# KiCad board rgbwstrip120_250_panel.kicad_pcb (continued)
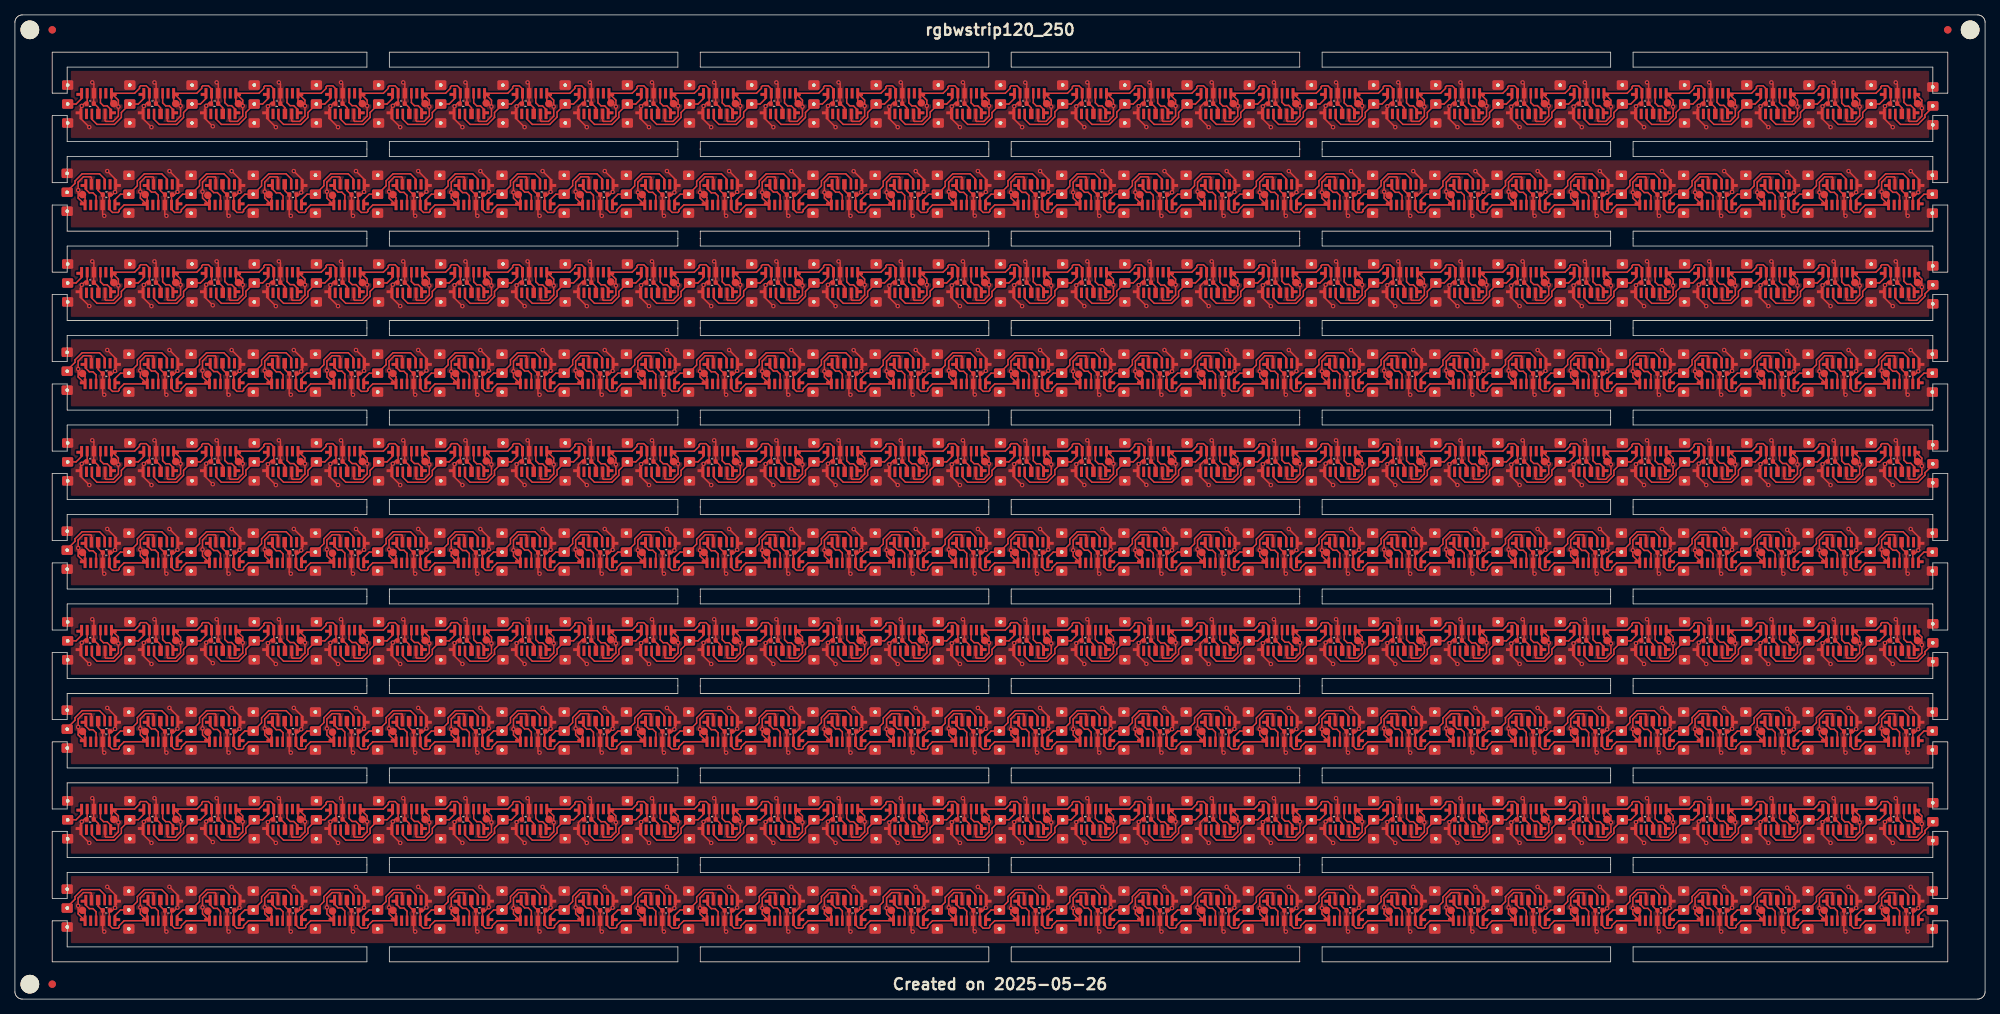
[diagram p0: board, top side]
## Routing (per net, layer and track width the routed paths; a pad name or vN(x,y) marks a point on that pad's centre or on a via; arc(x,y) is an arc through that point) (continued)
Board_6-GND: length 133.9
  Top w0.2: v1(35.36,50.95) 35.58,50.73 U8.4 35.56,49.47 35.56,48.17 36.18,47.55 36.18,46.84 ; v1(110.36,50.95) 110.58,50.73 U26#3.4 110.56,49.47 110.56,48.17 111.18,47.55 111.18,46.84 ; 169.52,46.84 169.52,47.55 168.9,48.17 168.9,49.47 U40.4 168.92,50.73 v1(168.7,50.95) ; 77.85,46.84 77.85,47.55 77.23,48.17 77.23,49.47 U18#4.4 77.25,50.73 v1(77.03,50.95) ; 211.18,46.84 211.18,47.55 210.56,48.17 210.56,49.47 U50#2.4 210.58,50.73 v1(210.36,50.95) ; 44.52,46.84 44.52,47.55 43.9,48.17 43.9,49.47 U10#8.4 43.92,50.73 v1(43.7,50.95) ; v1(177.03,50.95) 177.25,50.73 U42#2.4 177.23,49.47 177.23,48.17 177.85,47.55 177.85,46.84 ; 86.18,46.84 86.18,47.55 85.56,48.17 85.56,49.47 U20#2.4 85.58,50.73 v1(85.36,50.95) ; 244.52,46.84 244.52,47.55 243.9,48.17 243.9,49.47 U58#10.4 243.92,50.73 v1(243.7,50.95) 243.7,50.95 ; v1(185.36,50.95) 185.58,50.73 U44#5.4 185.56,49.47 185.56,48.17 186.18,47.55 186.18,46.84 ; v1(160.36,50.95) 160.58,50.73 U38#10.4 160.56,49.47 160.56,48.17 161.18,47.55 161.18,46.84 ; v1(218.7,50.95) 218.92,50.73 U52#10.4 218.9,49.47 218.9,48.17 219.52,47.55 219.52,46.84 ; 52.85,46.84 52.85,47.55 52.23,48.17 52.23,49.47 U12#4.4 52.25,50.73 v1(52.03,50.95) ; v1(27.03,50.95) 27.25,50.73 U6#7.4 27.23,49.47 27.23,48.17 27.85,47.55 27.85,46.84 ; 227.85,46.84 227.85,47.55 227.23,48.17 227.23,49.47 U54#10.4 227.25,50.73 v1(227.03,50.95) ; 19.52,46.84 19.52,47.55 18.9,48.17 18.9,49.47 U4#9.4 18.92,50.73 v1(18.7,50.95) ; 152.85,46.84 152.85,47.55 152.23,48.17 152.23,49.47 U36#2.4 152.25,50.73 v1(152.03,50.95) ; v1(60.36,50.95) 60.58,50.73 U14#2.4 60.56,49.47 60.56,48.17 61.18,47.55 61.18,46.84 ; 194.52,46.84 194.52,47.55 193.9,48.17 193.9,49.47 U46#7.4 193.92,50.73 v1(193.7,50.95) ; v1(93.7,50.95) 93.92,50.73 U22#6.4 93.9,49.47 93.9,48.17 94.52,47.55 94.52,46.84 ; 69.52,46.84 69.52,47.55 68.9,48.17 68.9,49.47 U16#9.4 68.92,50.73 v1(68.7,50.95) ; 11.18,46.84 11.18,47.55 10.56,48.17 10.56,49.47 U2#4.4 10.58,50.73 v1(10.36,50.95) ; v1(102.03,50.95) 102.25,50.73 U24#9.4 102.23,49.47 102.23,48.17 102.85,47.55 102.85,46.84 ; 202.85,46.84 202.85,47.55 202.23,48.17 202.23,49.47 U48#9.4 202.25,50.73 v1(202.03,50.95) ; 119.52,46.84 119.52,47.55 118.9,48.17 118.9,49.47 U28#7.4 118.92,50.73 v1(118.7,50.95) ; v1(252.03,50.95) 252.25,50.73 U60#4.4 252.23,49.47 252.23,48.17 252.85,47.55 252.85,46.84 ; 144.52,46.84 144.52,47.55 143.9,48.17 143.9,49.47 U34#4.4 143.92,50.73 v1(143.7,50.95) ; 236.18,46.84 236.18,47.55 235.56,48.17 235.56,49.47 U56#9.4 235.58,50.73 v1(235.36,50.95) ; 135.36,50.95 v1(135.38,50.93) 135.58,50.73 U32#6.4 135.56,49.47 135.56,48.17 136.18,47.55 136.18,46.84 ; v1(127.03,50.95) 127.25,50.73 U30#6.4 127.23,49.47 127.23,48.17 127.85,47.55 127.85,46.84
Board_6-Net-(J1-Pin_2): length 2.8
  Top w0.2: U2#4.6 8.93,48.79 8.19,48.05 7.16,48.05
Board_6-Net-(J2-Pin_2): length 10.4
  Top w0.2: 10.31,46.72 10.31,46 10.99,45.32 13.33,45.32 14.26,46.25 14.26,46.91 J2#4.2 ; 15.5,48.05 16.53,48.05 17.27,48.79 U4#9.6
Board_6-Net-(J3-Pin_2): length 10.4
  Top w0.2: U6#7.6 25.6,48.79 24.86,48.05 23.83,48.05 ; 18.65,46.72 18.65,46 19.33,45.32 21.66,45.32 22.6,46.25 22.6,46.91 J3#9.2
Board_6-Net-(J4-Pin_2): length 10.4
  Top w0.2: U8.6 33.93,48.79 33.19,48.05 32.16,48.05 ; J4#3.2 30.95,46.93 30.95,46.27 30,45.32 27.66,45.32 26.98,46 26.98,46.72
Board_6-Net-(J5-Pin_2): length 10.4
  Top w0.2: U10#8.6 42.27,48.79 41.53,48.05 40.5,48.05 ; J5#8.2 39.26,46.91 39.26,46.25 38.33,45.32 35.99,45.32 35.31,46 35.31,46.72
Board_6-Net-(J6-Pin_2): length 10.4
  Top w0.2: U12#4.6 50.6,48.79 49.86,48.05 48.83,48.05 ; J6#9.2 47.6,46.91 47.6,46.25 46.66,45.32 44.33,45.32 43.65,46 43.65,46.72
Board_6-Net-(J7-Pin_2): length 10.4
  Top w0.2: U14#2.6 58.93,48.79 58.19,48.05 57.16,48.05 ; J7#2.2 55.93,46.91 55.93,46.25 55,45.32 52.66,45.32 51.98,46 51.98,46.72
Board_6-Net-(J8-Pin_2): length 10.4
  Top w0.2: 60.31,46.72 60.31,46 60.99,45.32 63.33,45.32 64.26,46.25 64.26,46.26 64.27,46.26 64.26,46.42 64.26,46.91 J8#2.2 ; 65.5,48.05 66.53,48.05 67.27,48.79 U16#9.6
Board_6-Net-(J9-Pin_2): length 10.4
  Top w0.2: 73.83,48.05 74.86,48.05 75.6,48.79 U18#4.6 ; J9#8.2 72.65,46.97 72.65,46.3 71.66,45.32 69.33,45.32 68.65,46 68.65,46.72
Board_6-Net-(J10-Pin_2): length 10.4
  Top w0.2: U20#2.6 83.93,48.79 83.19,48.05 82.16,48.05 ; 76.98,46.72 76.98,46 77.66,45.32 80,45.32 80.93,46.25 80.93,46.91 J10#6.2
Board_6-Net-(J11-Pin_2): length 10.4
  Top w0.2: 90.5,48.05 91.53,48.05 92.27,48.79 U22#6.6 ; J11#3.2 89.26,46.91 89.26,46.25 88.33,45.32 85.99,45.32 85.31,46 85.31,46.72
Board_6-Net-(J12-Pin_2): length 10.4
  Top w0.2: U24#9.6 100.6,48.79 99.86,48.05 98.83,48.05 ; J12#2.2 97.65,46.97 97.65,46.3 96.66,45.32 94.33,45.32 93.65,46 93.65,46.72
Board_6-Net-(J13-Pin_2): length 10.4
  Top w0.2: J13#2.2 105.93,46.91 105.93,46.25 105,45.32 102.66,45.32 101.98,46 101.98,46.72 ; 107.16,48.05 108.19,48.05 108.93,48.79 U26#3.6
Board_6-Net-(J14-Pin_2): length 10.4
  Top w0.2: 115.5,48.05 116.53,48.05 117.27,48.79 U28#7.6 ; 110.31,46.72 110.31,46 110.99,45.32 113.33,45.32 113.33,45.32 114.26,46.25 114.26,46.91 J14.2
Board_6-Net-(J15-Pin_2): length 10.4
  Top w0.2: 118.65,46.72 118.65,46 119.33,45.32 121.66,45.32 122.65,46.3 122.65,46.97 J15#9.2 ; 123.83,48.05 124.86,48.05 125.6,48.79 U30#6.6
Board_6-Net-(J16-Pin_2): length 10.4
  Top w0.2: U32#6.6 133.93,48.79 133.19,48.05 132.16,48.05 ; 126.98,46.72 126.98,46 127.66,45.32 130,45.32 130.93,46.25 130.93,46.91 J16#2.2
Board_6-Net-(J17-Pin_2): length 10.4
  Top w0.2: 135.31,46.72 135.31,46 135.99,45.32 138.33,45.32 139.35,46.33 139.35,47 J17#8.2 ; 140.5,48.05 141.53,48.05 142.27,48.79 U34#4.6
Board_6-Net-(J18-Pin_2): length 10.4
  Top w0.2: 143.65,46.72 143.65,46 144.33,45.32 146.66,45.32 147.65,46.3 147.65,46.97 J18#9.2 ; U36#2.6 150.6,48.79 149.86,48.05 148.83,48.05
Board_6-Net-(J19-Pin_2): length 10.4
  Top w0.2: J19#5.2 155.93,46.91 155.93,46.25 155,45.32 152.66,45.32 151.98,46 151.98,46.72 ; 157.16,48.05 158.19,48.05 158.93,48.79 U38#10.6
Board_6-Net-(J20-Pin_2): length 10.4
  Top w0.2: 165.5,48.05 166.53,48.05 167.27,48.79 U40.6 ; 160.31,46.72 160.31,46 160.99,45.32 163.33,45.32 164.26,46.25 164.26,46.91 J20#2.2
Board_6-Net-(J21-Pin_2): length 10.4
  Top w0.2: 173.83,48.05 174.86,48.05 175.6,48.79 U42#2.6 ; J21#2.2 172.65,46.97 172.65,46.3 171.66,45.32 169.33,45.32 168.65,46 168.65,46.72
Board_6-Net-(J22-Pin_2): length 10.4
  Top w0.2: J22#7.2 180.95,46.93 180.95,46.27 180,45.32 177.66,45.32 176.98,46 176.98,46.72 ; U44#5.6 183.93,48.79 183.19,48.05 182.16,48.05
Board_6-Net-(J23-Pin_2): length 10.4
  Top w0.2: 190.5,48.05 191.53,48.05 192.27,48.79 U46#7.6 ; J23#2.2 189.26,46.91 189.26,46.25 188.33,45.32 185.99,45.32 185.31,46 185.31,46.72
Board_6-Net-(J24-Pin_2): length 10.4
  Top w0.2: J24#8.2 197.6,46.91 197.6,46.25 196.66,45.32 194.33,45.32 193.65,46 193.65,46.72 ; U48#9.6 200.6,48.79 199.86,48.05 198.83,48.05
Board_6-Net-(J25-Pin_2): length 10.4
  Top w0.2: J25#7.2 205.95,46.93 205.95,46.27 205,45.32 202.66,45.32 201.98,46 201.98,46.72 ; 207.16,48.05 208.19,48.05 208.93,48.79 U50#2.6
Board_6-Net-(J26-Pin_2): length 10.4
  Top w0.2: J26#2.2 214.26,46.91 214.26,46.25 213.33,45.32 210.99,45.32 210.31,46 210.31,46.72 ; 215.5,48.05 216.53,48.05 217.27,48.79 U52#10.6
Board_6-Net-(J27-Pin_2): length 10.4
  Top w0.2: U54#10.6 225.6,48.79 224.86,48.05 223.83,48.05 ; J27#2.2 222.6,46.91 222.6,46.25 221.66,45.32 219.33,45.32 218.65,46 218.65,46.72
Board_6-Net-(J28-Pin_2): length 10.4
  Top w0.2: J28#5.2 230.95,46.93 230.95,46.27 230,45.32 227.66,45.32 226.98,46 226.98,46.72 ; U56#9.6 233.93,48.79 233.19,48.05 232.16,48.05
Board_6-Net-(J29-Pin_2): length 10.4
  Top w0.2: 235.31,46.72 235.31,46 235.99,45.32 238.33,45.32 239.26,46.25 239.26,46.91 J29#9.2 ; U58#10.6 242.27,48.79 241.53,48.05 240.5,48.05
Board_6-Net-(J30-Pin_2): length 10.4
  Top w0.2: J30#8.2 247.6,46.91 247.6,46.25 246.66,45.32 244.33,45.32 243.65,46 243.65,46.72 ; 248.83,48.05 249.86,48.05 250.6,48.79 U60#4.6
Board_6-Net-(J31-Pin_2): length 7.2
  Top w0.2: 251.98,46.72 251.98,46 252.66,45.32 255,45.32 255.95,46.27 255.95,46.6 256.6,47.25 256.6,47.79
Board_6-Net-(U1-DIN): length 3.5
  Top w0.2: 11.46,48.92 11.46,48.21 11.87,47.8 12.37,47.8 12.83,47.33 12.83,46.27
Board_6-Net-(U3-DIN): length 3.5
  Top w0.2: 21.17,46.27 21.17,47.33 20.7,47.8 20.2,47.8 19.79,48.21 19.79,48.92
Board_6-Net-(U5-DIN): length 3.5
  Top w0.2: 29.5,46.3 29.5,47.36 29.03,47.83 28.53,47.83 28.12,48.24 28.12,48.95
Board_6-Net-(U7-DIN): length 3.5
  Top w0.2: 36.46,48.95 36.46,48.24 36.87,47.83 37.37,47.83 37.83,47.36 37.83,46.3
Board_6-Net-(U10-DOUT): length 3.5
  Top w0.2: 44.77,48.95 44.77,48.24 45.18,47.83 45.68,47.83 46.15,47.36 46.15,46.3
Board_6-Net-(U11-DIN): length 3.5
  Top w0.2: 53.12,48.95 53.12,48.24 53.53,47.83 54.03,47.83 54.5,47.36 54.5,46.3
Board_6-Net-(U13-DIN): length 3.5
  Top w0.2: 61.47,48.92 61.47,48.21 61.88,47.8 62.38,47.8 62.85,47.33 62.85,46.27
Board_6-Net-(U15-DIN): length 3.5
  Top w0.2: 69.79,48.92 69.79,48.21 70.2,47.8 70.7,47.8 71.17,47.33 71.17,46.27
Board_6-Net-(U17-DIN): length 3.5
  Top w0.2: 79.5,46.27 79.5,47.33 79.03,47.8 78.53,47.8 78.12,48.21 78.12,48.92
Board_6-Net-(U19-DIN): length 3.5
  Top w0.2: 87.83,46.27 87.83,47.33 87.37,47.8 86.87,47.8 86.46,48.21 86.46,48.92
Board_6-Net-(U21-DIN): length 3.5
  Top w0.2: 96.15,46.27 96.15,47.33 95.68,47.8 95.18,47.8 94.78,48.21 94.78,48.92
Board_6-Net-(U23-DIN): length 3.5
  Top w0.2: 104.5,46.27 104.5,47.33 104.03,47.8 103.53,47.8 103.12,48.21 103.12,48.92
Board_6-Net-(U25-DIN): length 3.5
  Top w0.2: 111.46,48.92 111.46,48.21 111.87,47.8 112.37,47.8 112.83,47.33 112.83,46.27
Board_6-Net-(U27-DIN): length 3.5
  Top w0.2: 119.78,48.92 119.78,48.21 120.18,47.8 120.68,47.8 121.15,47.33 121.15,46.27
Board_6-Net-(U29-DIN): length 3.5
  Top w0.2: 128.12,48.92 128.12,48.21 128.53,47.8 129.03,47.8 129.5,47.33 129.5,46.27
Board_6-Net-(U31-DIN): length 3.5
  Top w0.2: 136.46,48.92 136.46,48.21 136.87,47.8 137.37,47.8 137.83,47.33 137.83,46.27
Board_6-Net-(U33-DIN): length 3.5
  Top w0.2: 144.78,48.92 144.78,48.21 145.18,47.8 145.68,47.8 146.15,47.33 146.15,46.27
Board_6-Net-(U35-DIN): length 3.5
  Top w0.2: 153.12,48.89 153.12,48.18 153.53,47.77 154.03,47.77 154.5,47.3 154.5,46.24
Board_6-Net-(U37-DIN): length 3.5
  Top w0.2: 162.83,46.24 162.83,47.3 162.37,47.77 161.87,47.77 161.46,48.18 161.46,48.89
Board_6-Net-(U39-DIN): length 3.5
  Top w0.2: 169.78,48.99 169.78,48.28 170.18,47.87 170.68,47.87 171.15,47.4 171.15,46.34
Board_6-Net-(U41-DIN): length 3.5
  Top w0.2: 179.5,46.27 179.5,47.33 179.03,47.8 178.53,47.8 178.12,48.21 178.12,48.92
Board_6-Net-(U43-DIN): length 3.5
  Top w0.2: 187.85,46.27 187.85,47.33 187.38,47.8 186.88,47.8 186.47,48.21 186.47,48.92
Board_6-Net-(U45-DIN): length 3.5
  Top w0.2: 196.17,46.24 196.17,47.3 195.7,47.77 195.2,47.77 194.79,48.18 194.79,48.89
Board_6-Net-(U47-DIN): length 3.5
  Top w0.2: 204.48,46.31 204.48,47.37 204.02,47.83 203.52,47.83 203.11,48.24 203.11,48.96
Board_6-Net-(U49-DIN): length 3.5
  Top w0.2: 212.83,46.27 212.83,47.33 212.37,47.8 211.87,47.8 211.46,48.21 211.46,48.92
Board_6-Net-(U51-DIN): length 3.5
  Top w0.2: 219.79,48.89 219.79,48.18 220.2,47.77 220.7,47.77 221.17,47.3 221.17,46.24
Board_6-Net-(U53-DIN): length 3.5
  Top w0.2: 229.45,46.34 229.45,47.4 228.98,47.87 228.48,47.87 228.07,48.28 228.07,48.99
Board_6-Net-(U55-DIN): length 3.5
  Top w0.2: 237.83,46.31 237.83,47.37 237.37,47.83 236.87,47.83 236.46,48.24 236.46,48.96
Board_6-Net-(U57-DIN): length 3.5
  Top w0.2: 244.79,48.89 244.79,48.18 245.2,47.77 245.7,47.77 246.17,47.3 246.17,46.24
Board_6-Net-(U59-DIN): length 3.5
  Top w0.2: 254.5,46.34 254.5,47.4 254.03,47.87 253.53,47.87 253.12,48.28 253.12,48.99
Board_7-+3.3V: length 592.6
  Top w0.2: K16#6.1 217.73,35.62 U10#5.1 ; U34#8.1 116.8,35.44 v1(116.8,36.2) 116.8,37.58 117.51,38.28 118.48,38.28 118.58,38.18 U33.5 ; U34#8.1 117.73,35.62 K4#4.1 ; U34#8.1 114.63,34.51 113.97,33.85 113.97,33.65 113.82,33.5 113.07,33.5 112.65,33.93 U36#7.5 112.65,35.75 112.73,35.83 113.01,35.83 v1(113.41,36.24) 113.5,36.32 113.5,37.16 ; U30.1 133.47,35.44 v1(133.47,36.2) 133.47,37.58 134.17,38.28 135.14,38.28 135.25,38.18 U29#4.5 ; U30.1 131.29,34.51 130.64,33.85 130.64,33.65 130.49,33.5 129.74,33.5 129.32,33.93 U32#8.5 129.32,35.75 129.4,35.83 129.68,35.83 v1(130.1,36.25) 130.17,36.32 130.17,37.16 ; U30.1 134.4,35.55 K18#6.1 ; U20#8.1 175.14,35.44 v1(175.14,36.2) 175.14,37.58 175.84,38.28 176.81,38.28 176.92,38.18 U19#5.5 ; U20#8.1 172.96,34.51 172.3,33.85 172.3,33.65 172.15,33.5 171.41,33.5 170.98,33.93 U22#8.5 170.98,35.75 171.06,35.83 171.34,35.83 v1(171.73,36.22) 171.83,36.32 171.83,37.16 ; U20#8.1 176.07,35.58 K12#10.1 ; U52.1 39.63,34.51 38.97,33.85 38.97,33.65 38.82,33.5 38.07,33.5 37.65,33.93 U54#3.5 37.65,35.75 37.73,35.83 38.01,35.83 v1(38.36,36.19) 38.5,36.32 38.5,37.16 ; U52.1 41.8,35.44 v1(41.8,36.3) 41.8,37.58 42.51,38.28 43.48,38.28 43.58,38.18 U51#7.5 ; U52.1 42.73,35.62 K19#3.1 ; v1(87.37,39.05) 88.5,37.92 U41#6.1 ; U8#4.1 226.07,35.58 K21#4.1 ; U8#4.1 225.75,34.83 ; U8#4.1 222.96,34.51 222.3,33.85 222.3,33.65 222.15,33.5 221.41,33.5 220.98,33.93 U10#5.5 220.98,35.75 221.06,35.83 221.34,35.83 v1(221.73,36.22) 221.83,36.32 221.83,37.16 ; U8#4.1 225.14,35.44 v1(225.14,36.2) 225.14,37.58 225.84,38.28 226.81,38.28 226.92,38.18 U7#8.5 ; 250.75,34.82 U2#3.1 ; U2#3.1 247.96,34.51 247.3,33.85 247.3,33.65 247.15,33.5 246.41,33.5 245.98,33.93 U4#10.5 245.98,35.75 246.06,35.83 246.34,35.83 v1(246.73,36.22) 246.83,36.32 246.83,37.16 ; U2#3.1 250.14,35.44 v1(250.14,36.3) 250.14,37.58 250.84,38.28 251.81,38.28 251.92,38.18 U1#4.5 ; U2#3.1 251.07,35.58 K1#9.1 ; U43#6.1 80.17,37.92 v1(79.04,39.05) ; K9#8.1 92.73,35.52 U40#4.1 ; U6#2.1 234.4,35.55 K26#3.1 ; U6#2.1 231.29,34.51 230.64,33.85 230.64,33.65 230.49,33.5 229.74,33.5 229.32,33.93 U8#4.5 229.32,35.75 229.4,35.83 229.68,35.83 v1(230.1,36.25) 230.17,36.32 230.17,37.16 ; U6#2.1 233.47,35.44 v1(233.47,36.2) 233.47,37.58 234.17,38.28 235.14,38.28 235.25,38.18 U5#3.5 ; U35#2.5 110.25,38.18 110.14,38.28 109.17,38.28 108.47,37.58 v1(108.47,36.2) 108.47,35.44 U36#7.1 ; 255.17,37.16 255.17,36.32 v1(255.05,36.2) 254.68,35.83 254.4,35.83 254.32,35.75 U2#3.5 254.32,33.93 ; 96.83,37.16 96.83,36.32 v1(96.78,36.27) 96.34,35.83 96.06,35.83 95.98,35.75 U40#4.5 95.98,33.93 96.41,33.5 97.15,33.5 97.3,33.65 97.3,33.85 97.96,34.51 U38#5.1 ; 84.26,34.57 84.32,34.51 ; v1(129.04,39.05) 130.17,37.92 U31#7.1 ; v1(20.7,39.05) 21.83,37.92 U57#3.1 ; 105.17,37.16 105.17,36.32 104.68,35.83 104.4,35.83 104.32,35.75 U38#5.5 104.32,33.93 104.74,33.5 105.49,33.5 105.64,33.65 105.64,33.85 106.29,34.51 U36#7.1 ; U42#5.1 83.47,35.44 v1(83.47,36.2) 83.47,37.58 84.17,38.28 85.14,38.28 85.25,38.18 U41#6.5 ; U42#5.1 84.4,35.55 K10#2.1 ; U42#5.1 81.29,34.51 80.64,33.85 80.64,33.65 80.49,33.5 79.74,33.5 79.32,33.93 U44#8.5 79.32,35.75 79.4,35.83 79.68,35.83 v1(80.1,36.25) 80.17,36.32 80.17,37.16 ; U5#3.1 238.5,37.92 v1(237.49,38.94) 237.37,39.05 ; U46#10.1 66.8,35.44 v1(66.8,36.2) 66.8,37.58 67.51,38.28 68.48,38.28 68.58,38.18 U45#4.5 ; U46#10.1 67.73,35.62 K23#2.1 ; U46#10.1 64.63,34.51 63.97,33.85 63.97,33.65 63.82,33.5 63.07,33.5 62.65,33.93 U48#4.5 62.65,35.75 62.73,35.83 63.01,35.83 v1(63.5,36.32) 63.5,37.16 ; U24#10.1 156.29,34.51 155.64,33.85 155.64,33.65 155.49,33.5 154.74,33.5 154.32,33.93 U26#8.5 154.32,35.75 154.4,35.83 154.68,35.83 v1(155.05,36.2) 155.17,36.32 155.17,37.16 ; U24#10.1 158.47,35.44 v1(158.47,36.3) 158.47,37.58 159.17,38.28 160.14,38.28 160.25,38.18 U23#2.5 ; U24#10.1 159.4,35.55 K17.1 ; v1(200.15,36.3) 200.14,37.58 200.84,38.28 201.81,38.28 201.92,38.18 U13#10.5 ; v1(200.15,36.3) 200.14,35.44 U14#4.1 ; v1(200.15,36.3) 200.62,35.83 K27#4.1 201.07,35.62 U14#4.1 ; 17.59,34.57 17.65,34.51 ; 142.59,34.57 142.65,34.51 ; U18#2.1 184.4,35.55 K7#8.1 183.97,35.8 v1(183.47,36.3) ; U18#2.1 183.47,35.44 v1(183.47,36.3) ; U18#2.1 181.29,34.51 180.64,33.85 180.64,33.65 180.49,33.5 179.74,33.5 179.32,33.93 U20#8.5 179.32,35.75 179.4,35.83 179.68,35.83 v1(180.1,36.25) 180.17,36.32 180.17,37.16 ; 50.92,34.57 50.98,34.51 ; U40#4.1 91.8,35.44 v1(91.8,36.2) 91.8,37.58 92.51,38.28 93.48,38.28 93.58,38.18 U39#9.5 ; U40#4.1 89.63,34.51 88.97,33.85 88.97,33.65 88.82,33.5 88.07,33.5 87.65,33.93 U42#5.5 87.65,35.75 87.73,35.83 88.01,35.83 v1(88.36,36.19) 88.5,36.32 88.5,37.16 ; U32#8.1 125.14,35.44 v1(125.14,36.3) 125.14,37.58 125.84,38.28 126.81,38.28 126.92,38.18 U31#7.5 ; U32#8.1 126.07,35.58 K8#9.1 ; U32#8.1 122.96,34.51 122.3,33.85 122.3,33.65 122.15,33.5 121.41,33.5 120.98,33.93 U34#8.5 120.98,35.75 121.06,35.83 121.34,35.83 v1(121.78,36.27) 121.83,36.32 121.83,37.16 ; U17#4.1 188.5,37.92 v1(187.37,39.05) ; U56#7.1 26.07,35.58 K20#8.1 ; U56#7.1 22.96,34.51 22.3,33.85 22.3,33.65 22.15,33.5 21.41,33.5 20.98,33.93 U58.5 20.98,35.75 21.06,35.83 21.34,35.83 v1(21.78,36.27) 21.83,36.32 21.83,37.16 ; U56#7.1 25.14,35.44 v1(25.14,36.3) 25.14,37.58 25.84,38.28 26.81,38.28 26.92,38.18 U55#8.5 ; U10#5.1 216.8,35.44 v1(216.8,36.2) 216.8,37.58 217.51,38.28 218.48,38.28 218.58,38.18 U9#3.5 ; U10#5.1 214.63,34.51 213.97,33.85 213.97,33.65 213.82,33.5 213.07,33.5 212.65,33.93 U12#2.5 212.65,35.75 212.73,35.83 213.01,35.83 v1(213.36,36.19) 213.5,36.32 213.5,37.16 ; v1(37.37,39.05) 38.5,37.92 U53.1 ; U48#4.1 59.4,35.55 K28#8.1 ; U48#4.1 56.29,34.51 55.64,33.85 55.64,33.65 55.49,33.5 54.74,33.5 54.32,33.93 U50#6.5 54.32,35.75 54.4,35.83 54.68,35.83 v1(55.15,36.3) 55.17,36.32 55.17,37.16 ; U48#4.1 58.47,35.44 v1(58.47,36.2) 58.47,37.58 59.17,38.28 60.14,38.28 60.25,38.18 U47#3.5 ; 159.26,34.57 159.32,34.51 ; U16#7.1 189.63,34.51 188.97,33.85 188.97,33.65 188.82,33.5 188.07,33.5 187.65,33.93 U18#2.5 187.65,35.75 187.73,35.83 188.01,35.83 188.5,36.32 188.5,37.16 ; U16#7.1 192.73,35.62 K2#5.1 ; U16#7.1 191.8,35.44 v1(191.8,36.3) 191.8,37.58 192.51,38.28 193.48,38.28 193.58,38.18 U15#6.5 ; 134.26,34.57 134.32,34.51 ; U44#8.1 76.07,35.58 K14#5.1 ; U44#8.1 72.96,34.51 72.3,33.85 72.3,33.65 72.15,33.5 71.41,33.5 70.98,33.93 U46#10.5 70.98,35.75 71.06,35.83 71.34,35.83 v1(71.78,36.27) 71.83,36.32 71.83,37.16 ; U44#8.1 75.14,35.44 v1(75.14,36.3) 75.14,37.58 75.84,38.28 76.81,38.28 76.92,38.18 U43#6.5 ; U58.1 14.63,34.51 13.97,33.85 13.97,33.65 13.82,33.5 13.07,33.5 12.65,33.93 U60#7.5 12.65,35.75 12.73,35.83 13.01,35.83 v1(13.41,36.24) 13.5,36.32 13.5,37.16 ; U58.1 16.8,35.44 v1(16.8,36.3) 16.8,37.58 17.51,38.28 18.48,38.28 18.58,38.18 U57#3.5 ; U58.1 17.73,35.62 K25.1 ; 205.17,37.16 205.17,36.32 v1(205.1,36.25) 204.68,35.83 204.4,35.83 204.32,35.75 U14#4.5 204.32,33.93 204.74,33.5 205.49,33.5 205.64,33.65 205.64,33.85 206.29,34.51 U12#2.1 ; U36#7.1 109.4,35.55 K30#9.1 ; U25#2.5 151.92,38.18 151.81,38.28 150.84,38.28 150.14,37.58 v1(150.14,36.2) 150.14,35.44 U26#8.1 ; U38#5.1 100.14,35.44 v1(100.14,36.2) 100.14,37.58 100.84,38.28 101.81,38.28 101.92,38.18 U37#7.5 ; U38#5.1 101.07,35.58 K5#2.1 ; U21#2.5 168.58,38.18 168.48,38.28 167.51,38.28 166.8,37.58 v1(166.8,36.2) 166.8,35.44 U22#8.1 ; v1(62.37,39.05) 63.5,37.92 U47#3.1 ; 109.26,34.57 109.32,34.51 ; U4#10.1 241.8,35.44 v1(241.8,36.2) 241.8,37.58 242.51,38.28 243.48,38.28 243.58,38.18 U3.5 ; U4#10.1 242.73,35.62 K6#10.1 ; U4#10.1 242.45,34.79 ; U4#10.1 239.63,34.51 238.97,33.85 238.97,33.65 238.82,33.5 238.07,33.5 237.65,33.93 U6#2.5 237.65,35.75 237.73,35.83 238.01,35.83 v1(238.36,36.19) 238.5,36.32 238.5,37.16 ; 42.59,34.57 42.65,34.51 ; 125.92,34.57 125.98,34.51 ; v1(220.7,39.05) 221.83,37.92 U9#3.1 ; K11#9.1 209.4,35.55 U12#2.1 ; U14#4.1 197.96,34.51 197.3,33.85 197.3,33.65 197.15,33.5 196.41,33.5 195.98,33.93 U16#7.5 195.98,35.75 196.06,35.83 196.34,35.83 v1(196.78,36.27) 196.83,36.32 196.83,37.16 ; K15.1 51.07,35.48 U50#6.1 ; v1(54.04,39.05) 55.17,37.92 U49#9.1 ; v1(95.7,39.05) 96.83,37.92 U39#9.1 ; v1(145.7,39.05) 146.83,37.92 U27.1 ; 200.92,34.57 200.98,34.51 ; K29#3.1 9.4,35.55 U60#7.1 8.47,35.44 v1(8.47,36.5) 8.47,37.58 9.17,38.28 10.14,38.28 10.25,38.18 U59#5.5 ; 100.92,34.57 100.98,34.51 ; U22#8.1 167.73,35.62 K22#2.1 ; U22#8.1 164.63,34.51 163.97,33.85 163.97,33.65 163.82,33.5 163.07,33.5 162.65,33.93 U24#10.5 162.65,35.75 162.73,35.83 163.01,35.83 v1(163.41,36.24) 163.5,36.32 163.5,37.16 ; 59.26,34.57 59.32,34.51 ; v1(254.04,39.05) 255.17,37.92 U1#4.1 ; 46.83,37.16 46.83,36.32 v1(46.78,36.27) 46.34,35.83 46.06,35.83 45.98,35.75 U52.5 45.98,33.93 46.41,33.5 47.15,33.5 47.3,33.65 47.3,33.85 47.96,34.51 U50#6.1 ; 117.59,34.57 117.65,34.51 ; 184.26,34.57 184.32,34.51 ; 30.17,37.16 30.17,36.32 v1(30.1,36.25) 29.68,35.83 29.4,35.83 29.32,35.75 U56#7.5 29.32,33.93 29.74,33.5 30.49,33.5 30.64,33.65 30.64,33.85 31.29,34.51 U54#3.1 ; U26#8.1 147.96,34.51 147.3,33.85 147.3,33.65 147.15,33.5 146.41,33.5 145.98,33.93 U28#6.5 145.98,35.75 146.06,35.83 146.34,35.83 v1(146.83,36.32) 146.83,36.32 146.83,37.16 ; U26#8.1 151.07,35.58 K3#8.1 ; 217.59,34.57 217.65,34.51 ; v1(204.04,39.05) 205.17,37.92 U13#10.1 ; v1(104.04,39.05) 105.17,37.92 U37#7.1 ; K24.1 34.4,35.55 U54#3.1 ; 192.59,34.57 192.65,34.51 ; v1(120.7,39.05) 121.83,37.92 U33.1 ; U53.5 35.25,38.18 35.14,38.28 34.17,38.28 33.47,37.58 v1(33.47,36.3) 33.47,35.44 U54#3.1 ; 175.92,34.57 175.98,34.51 ; U12#2.1 208.47,35.44 v1(208.47,36.3) 208.47,37.58 209.17,38.28 210.14,38.28 210.25,38.18 U11#4.5 ; U50#6.1 50.14,35.44 v1(50.14,36.3) 50.14,37.58 50.84,38.28 51.81,38.28 51.92,38.18 U49#9.5 ; v1(70.7,39.05) 71.83,37.92 U45#4.1 ; U28#6.1 139.63,34.51 138.97,33.85 138.97,33.65 138.82,33.5 138.07,33.5 137.65,33.93 U30.5 137.65,35.75 137.73,35.83 138.01,35.83 v1(138.46,36.29) 138.5,36.32 138.5,37.16 ; U28#6.1 141.8,35.44 v1(141.8,36.2) 141.8,37.58 142.51,38.28 143.48,38.28 143.58,38.18 U27.5 ; U28#6.1 142.73,35.62 K13.1 ; U7#8.1 230.17,37.92 v1(229.04,39.05) ; v1(29.04,39.05) 30.17,37.92 U55#8.1 ; U35#2.1 113.5,37.92 v1(112.39,39.04) 112.37,39.05 ; v1(245.7,39.05) 246.83,37.92 U3.1 ; v1(183.47,36.3) 183.47,37.58 184.17,38.28 185.14,38.28 185.25,38.18 U17#4.5 ; U51#7.1 46.83,37.92 v1(45.7,39.05) ; v1(137.37,39.05) 138.5,37.92 U29#4.1 ; 9.26,34.57 9.32,34.51 ; 209.26,34.57 209.32,34.51 ; 250.92,34.57 250.98,34.51 ; U59#5.1 13.5,37.92 v1(12.37,39.05) ; U11#4.1 213.5,37.92 v1(212.37,39.05) ; 25.92,34.57 25.98,34.51 ; U25#2.1 155.17,37.92 v1(154.04,39.05) ; 225.92,34.57 225.98,34.51 ; 67.59,34.57 67.65,34.51 ; 34.26,34.57 34.32,34.51 ; 167.59,34.57 167.65,34.51 ; U21#2.1 171.83,37.92 v1(170.7,39.05) ; U23#2.1 163.5,37.92 v1(162.37,39.05) ; U15#6.1 196.83,37.92 v1(195.7,39.05) ; 75.92,34.57 75.98,34.51 ; 150.92,34.57 150.98,34.51 ; 242.59,34.57 242.65,34.51 ; 234.26,34.57 234.32,34.51 ; v1(179.04,39.05) 180.17,37.92 U19#5.1 ; 92.59,34.57 92.65,34.51
Board_7-GND: length 133.9
  Top w0.2: v1(186.97,33.05) 186.75,33.27 U18#2.4 186.77,34.53 186.77,35.83 186.15,36.45 186.15,37.16 ; 11.15,37.16 11.15,36.45 11.77,35.83 11.77,34.53 U60#7.4 11.75,33.27 v1(11.97,33.05) ; 52.82,37.16 52.82,36.45 53.44,35.83 53.44,34.53 U50#6.4 53.42,33.27 v1(53.64,33.05) ; 27.82,37.16 27.82,36.45 28.44,35.83 28.44,34.53 U56#7.4 28.42,33.27 v1(28.64,33.05) ; 194.48,37.16 194.48,36.45 195.1,35.83 195.1,34.53 U16#7.4 195.08,33.27 v1(195.3,33.05) ; v1(245.3,33.05) 245.08,33.27 U4#10.4 245.1,34.53 245.1,35.83 244.48,36.45 244.48,37.16 ; v1(236.97,33.05) 236.75,33.27 U6#2.4 236.77,34.53 236.77,35.83 236.15,36.45 236.15,37.16 ; v1(203.64,33.05) 203.42,33.27 U14#4.4 203.44,34.53 203.44,35.83 202.82,36.45 202.82,37.16 ; v1(136.97,33.05) 136.75,33.27 U30.4 136.77,34.53 136.77,35.83 136.15,36.45 136.15,37.16 ; v1(95.3,33.05) 95.08,33.27 U40#4.4 95.1,34.53 95.1,35.83 94.48,36.45 94.48,37.16 ; v1(70.3,33.05) 70.08,33.27 U46#10.4 70.1,34.53 70.1,35.83 69.48,36.45 69.48,37.16 ; 227.82,37.16 227.82,36.45 228.44,35.83 228.44,34.53 U8#4.4 228.42,33.27 v1(228.64,33.05) ; v1(61.97,33.05) 61.75,33.27 U48#4.4 61.77,34.53 61.77,35.83 61.15,36.45 61.15,37.16 ; v1(253.64,33.05) 253.42,33.27 U2#3.4 253.44,34.53 253.44,35.83 252.82,36.45 252.82,37.16 ; 119.48,37.16 119.48,36.45 120.1,35.83 120.1,34.53 U34#8.4 120.08,33.27 v1(120.3,33.05) ; 111.15,37.16 111.15,36.45 111.77,35.83 111.77,34.53 U36#7.4 111.75,33.27 v1(111.97,33.05) ; 19.48,37.16 19.48,36.45 20.1,35.83 20.1,34.53 U58.4 20.08,33.27 v1(20.3,33.05) 20.3,33.05 ; 152.82,37.16 152.82,36.45 153.44,35.83 153.44,34.53 U26#8.4 153.42,33.27 v1(153.64,33.05) ; 102.82,37.16 102.82,36.45 103.44,35.83 103.44,34.53 U38#5.4 103.42,33.27 v1(103.64,33.05) ; v1(178.64,33.05) 178.42,33.27 U20#8.4 178.44,34.53 178.44,35.83 177.82,36.45 177.82,37.16 ; 127.82,37.16 127.82,36.45 128.44,35.83 128.44,34.53 U32#8.4 128.42,33.27 v1(128.62,33.07) 128.64,33.05 ; v1(36.97,33.05) 36.75,33.27 U54#3.4 36.77,34.53 36.77,35.83 36.15,36.45 36.15,37.16 ; 161.15,37.16 161.15,36.45 161.77,35.83 161.77,34.53 U24#10.4 161.75,33.27 v1(161.97,33.05) ; 144.48,37.16 144.48,36.45 145.1,35.83 145.1,34.53 U28#6.4 145.08,33.27 v1(145.3,33.05) ; v1(86.97,33.05) 86.75,33.27 U42#5.4 86.77,34.53 86.77,35.83 86.15,36.45 86.15,37.16 ; 219.48,37.16 219.48,36.45 220.1,35.83 220.1,34.53 U10#5.4 220.08,33.27 v1(220.3,33.05) ; v1(170.3,33.05) 170.08,33.27 U22#8.4 170.1,34.53 170.1,35.83 169.48,36.45 169.48,37.16 ; v1(78.64,33.05) 78.42,33.27 U44#8.4 78.44,34.53 78.44,35.83 77.82,36.45 77.82,37.16 ; 44.48,37.16 44.48,36.45 45.1,35.83 45.1,34.53 U52.4 45.08,33.27 v1(45.3,33.05) ; 211.15,37.16 211.15,36.45 211.77,35.83 211.77,34.53 U12#2.4 211.75,33.27 v1(211.97,33.05)